# Altium PCB T1_Card.PcbDoc (part 1 of 6) (continued)
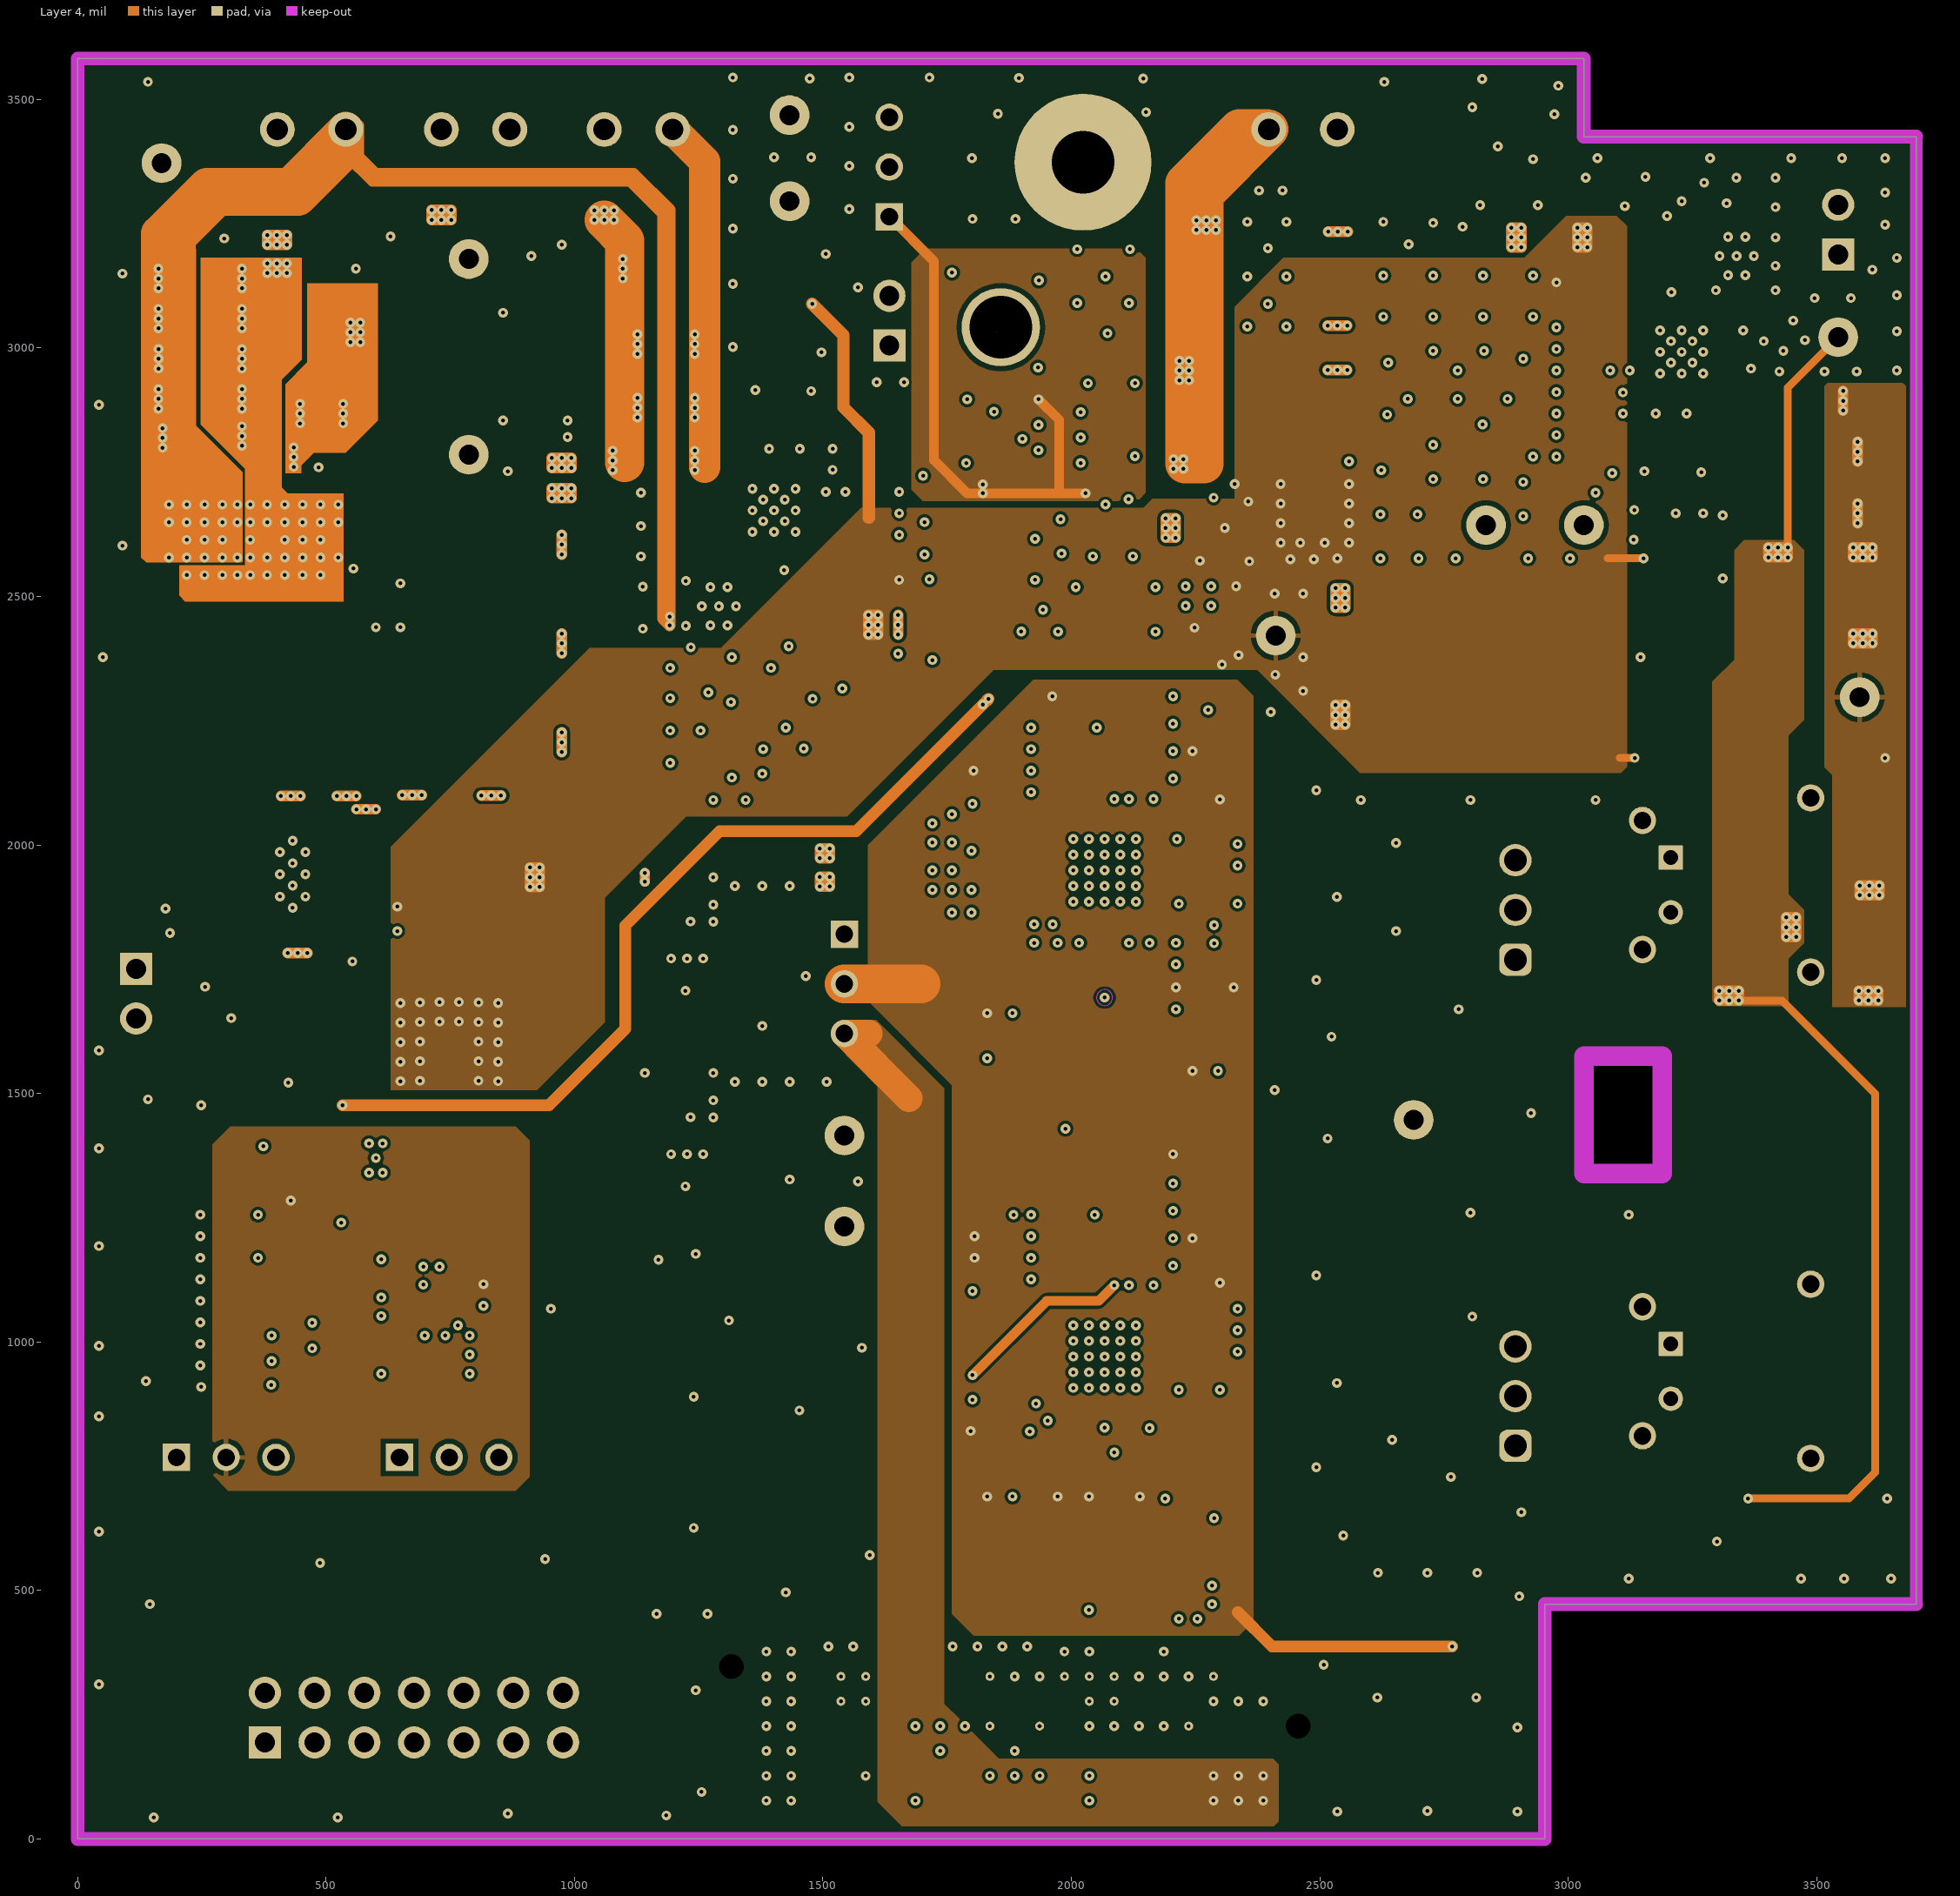
[diagram p4: Layer 4]
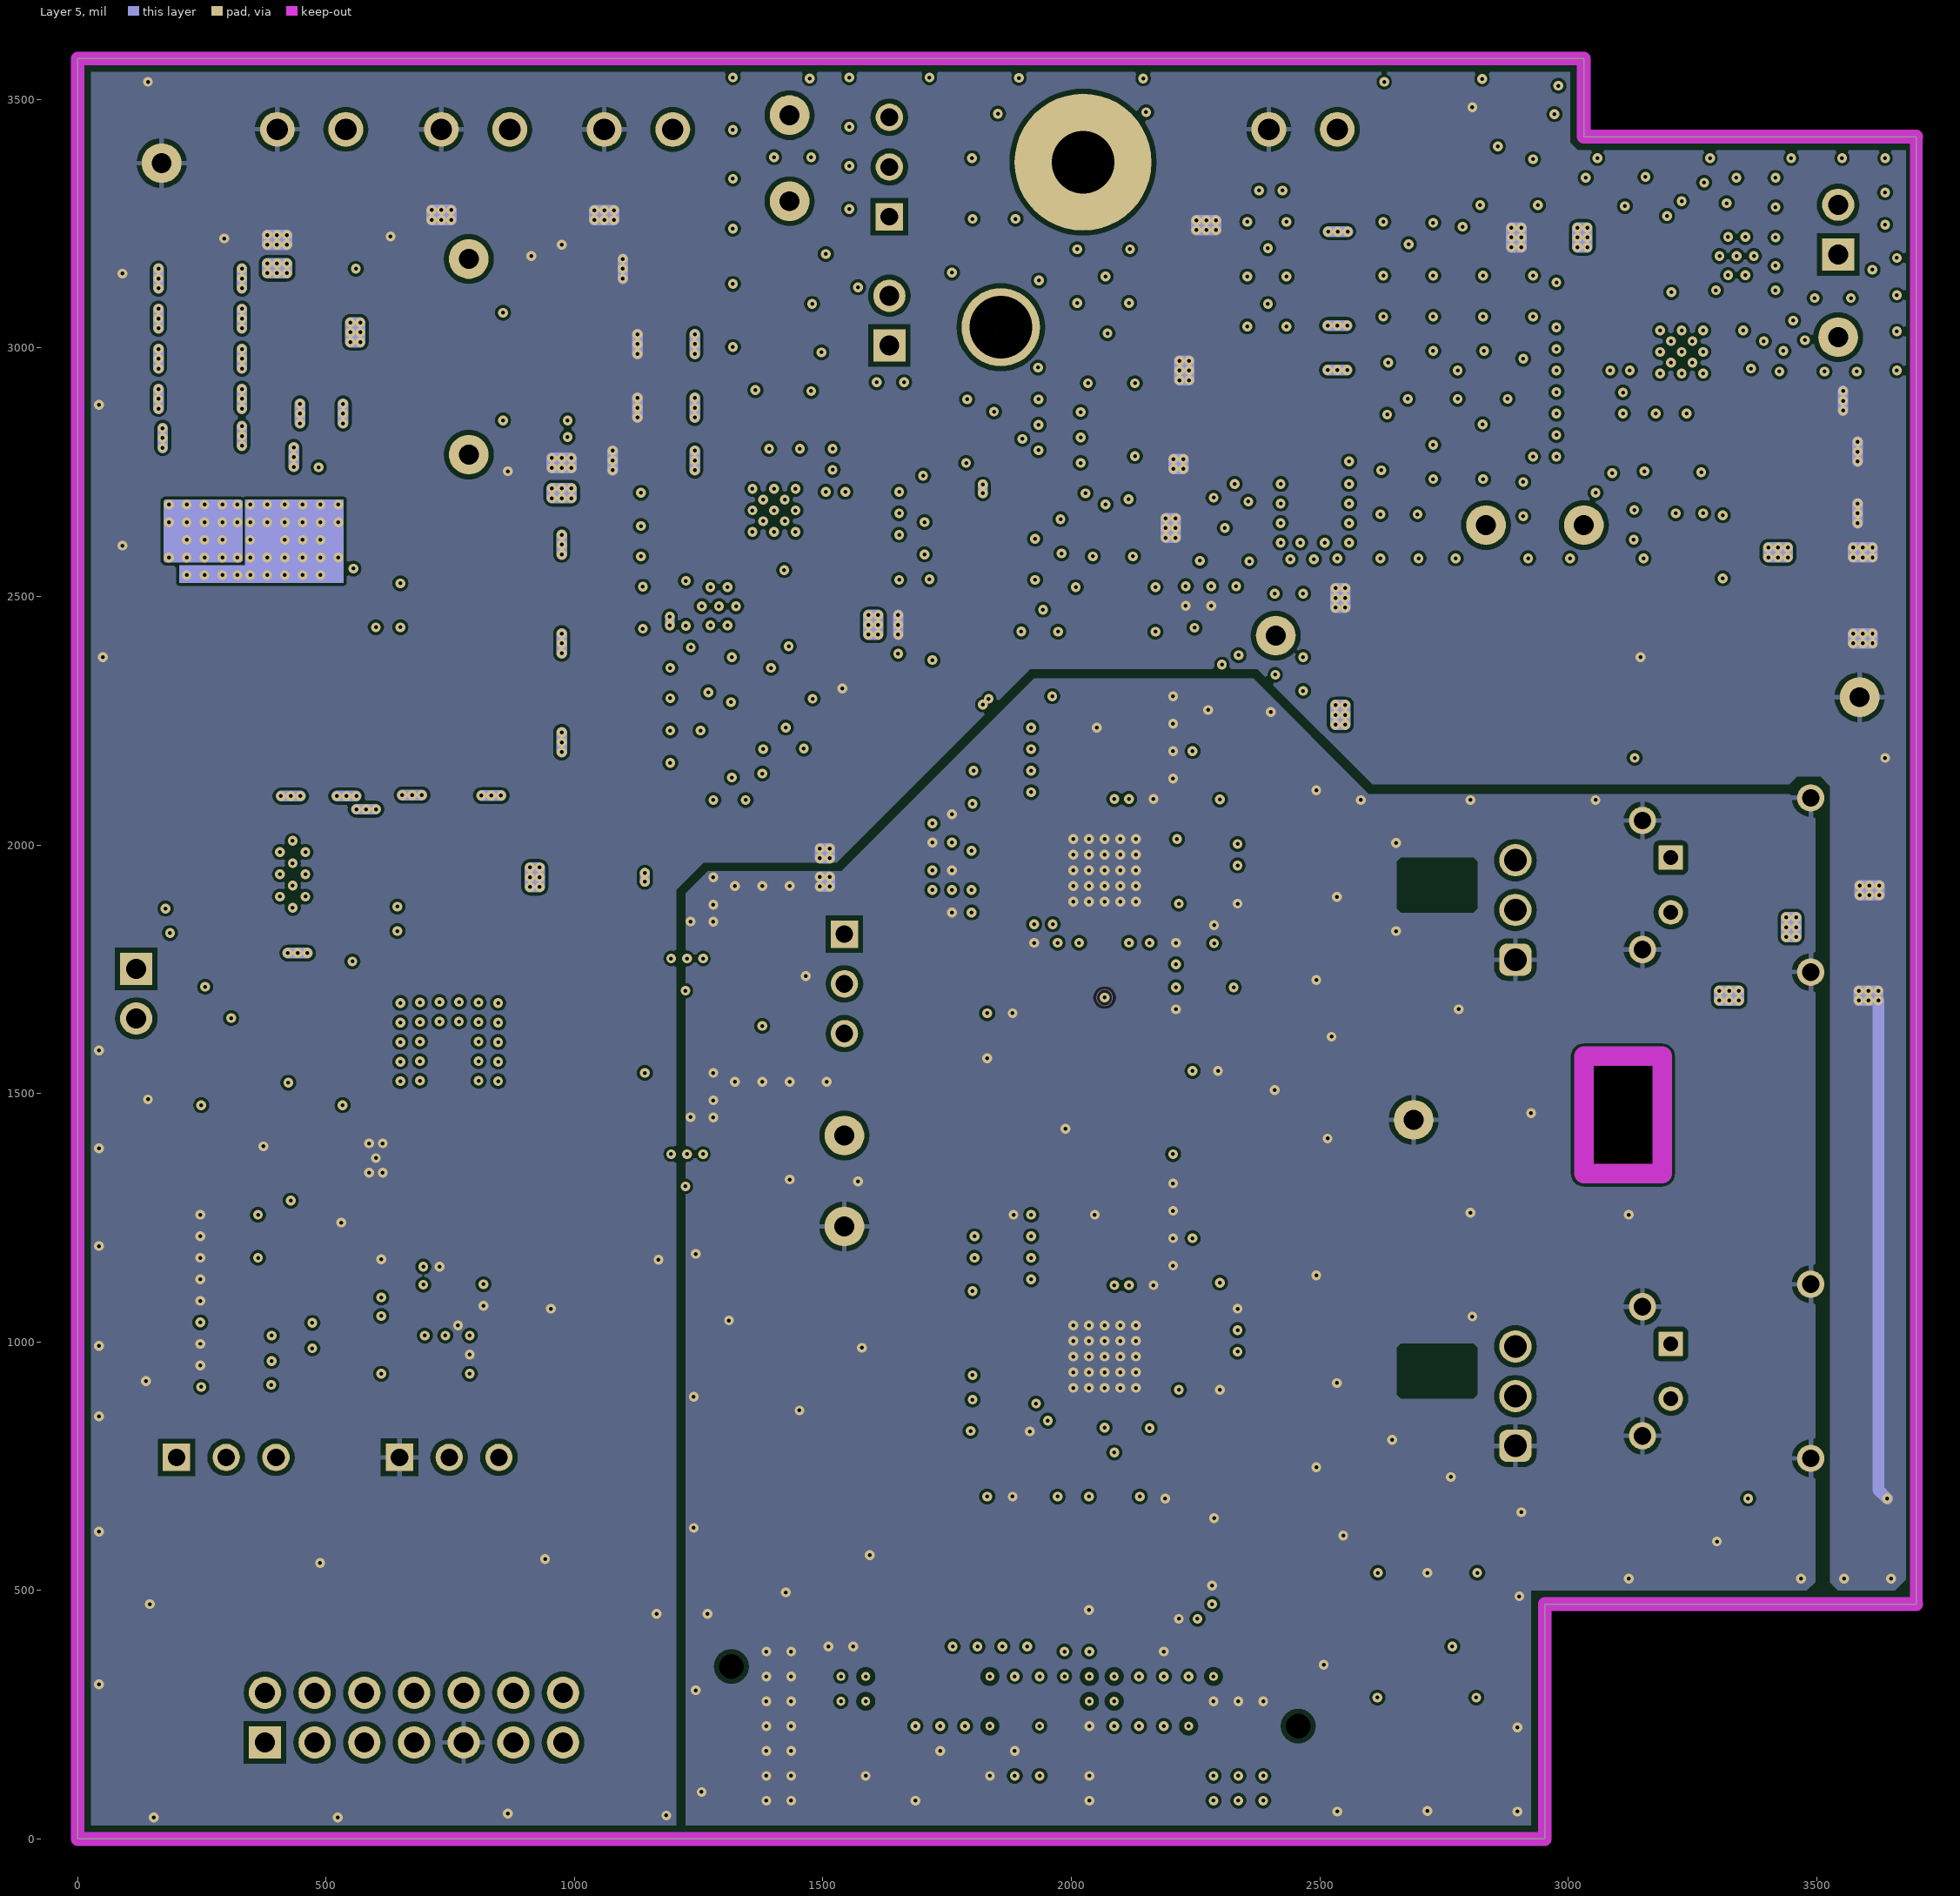
[diagram p5: Layer 5]

## Layer stack, top to bottom
Top Solder: solder mask 0.4, Solder Resist, Dk 3.5
Layer 1: signal copper 1.4
Dielectric 1: prepreg 3.7, FR-4, Dk 4.2
Layer 2: signal copper 1.4
Dielectric 2: core 4, FR-4, Dk 4.2
Layer 3: signal copper 1.4
Dielectric 3: prepreg 42, FR-4, Dk 4.2
Layer 4: signal copper 1.4
Dielectric 4: core 4, FR-4, Dk 4.2
Layer 5: signal copper 1.4
Dielectric 5: prepreg 3.7, FR-4, Dk 4.2
Layer 6: signal copper 1.4
Bottom Solder: solder mask 0.4, Solder Resist, Dk 3.5

## Board outline
0,0 0,3582.68 3031.5,3582.68 3031.5,3425.2 3700.79,3425.2 3700.79,472.44 2952.76,472.44 2952.76,0
cut-out: 1850.39,3110.24
cut-out: 3031.5,1338.58 3031.5,1574.8 3188.98,1574.8 3188.98,1338.58
cut-out: 1850.39,3031.5

## Design rules (kind name [scope] priority, off if disabled: settings)
AcuteAngle [All] p1: minimum=4.50000000000000E+0001 checktracksonly=FALSE
AssemblyTestPointUsage [All] p1: valid=2
BoardOutlineClearance BoardOutlineClearance_MountingHoles [OnCopper and InComponentClass('Mounting Holes')] p1: gap=39.37 ignorepadtopadclearanceinfootprint=FALSE
BoardOutlineClearance [OnCopper and Not InComponentClass('Logo') and not InComponentClass('FiducialMark') and not InRegion(1000,500,4000,800) and not InPoly] p2: gap=75 ignorepadtopadclearanceinfootprint=FALSE except(20.87: Poly-OutlineEdge Region-OutlineEdge; 24: Track-OutlineEdge Track-CutoutEdge SMDPad-OutlineEdge SMDPad-CutoutEdge THPad-OutlineEdge THPad-CutoutEdge Via-OutlineEdge Via-CutoutEdge Fill-OutlineEdge Fill-CutoutEdge Poly-CutoutEdge Text-OutlineEdge Text-CutoutEdge)
BoardOutlineClearance BoardOutlineClearance_Poly [OnCopper and IsPoly] p3: gap=21.65 ignorepadtopadclearanceinfootprint=FALSE except(20.87: Poly-OutlineEdge Region-OutlineEdge)
Clearance Clearance_CLKs-to-others [InNetClass('CLKs')] p1: gap=5.9 ignorepadtopadclearanceinfootprint=TRUE except(6: Arc-THPad Arc-Via Arc-Fill Arc-Poly Arc-Region Track-THPad Track-Via Track-Fill Track-Region SMDPad-Via THPad-Fill THPad-Poly THPad-Region; 8: Arc-SMDPad Track-SMDPad SMDPad-SMDPad; 10: Arc-Hole Track-Hole SMDPad-THPad SMDPad-Hole THPad-THPad THPad-Via Via-Hole Fill-Hole Poly-Hole Region-Hole; 14: Arc-Arc Arc-Track Track-Track; 20: Track-Poly THPad-Hole)
Clearance Clearance_DiffPairs-to-others [InAnyDifferentialPair vs All and not InAnyDifferentialPair] p2: gap=5.9 ignorepadtopadclearanceinfootprint=TRUE except(6: Arc-THPad Arc-Via Arc-Fill Arc-Poly Arc-Region Track-THPad Track-Fill Track-Region SMDPad-Via THPad-Fill THPad-Region; 8: Arc-SMDPad Track-SMDPad SMDPad-SMDPad; 10: Arc-Hole Track-Hole SMDPad-THPad SMDPad-Hole THPad-THPad THPad-Via THPad-Poly Via-Hole Fill-Hole Poly-Hole Region-Hole; 11: Track-Via; 12: Track-Track; 14: Arc-Arc Arc-Track; 20: Track-Poly THPad-Hole)
Clearance Clearance_Keepouts [((IsTrack Or IsArc) And Not InPoly) And IsFree and IsKeepOut vs ((IsTrack Or IsArc) And Not InPoly) And IsFree and IsKeepOut] p3: gap=0 ignorepadtopadclearanceinfootprint=FALSE
Clearance Clearance_Poly_OuterLayers [InPolygon and not OnMid] p4: gap=5.91 ignorepadtopadclearanceinfootprint=TRUE except(9.84: SMDPad-Poly THPad-Poly; 11.81: Poly-Poly)
Clearance Clearance_Poly [InPolygon] p5: gap=5.91 ignorepadtopadclearanceinfootprint=TRUE except(9.84: THPad-Poly; 11.81: Poly-Poly)
Clearance Clearance_FiducialMark [IsKeepOut and InComponentClass('FiducialMark') vs IsPad and InComponentClass('FiducialMark')] p6: gap=0 ignorepadtopadclearanceinfootprint=FALSE
Clearance [All and not (InComponent('U5')  or WithinRoom('Room_U5'))] p7: gap=5.9 ignorepadtopadclearanceinfootprint=TRUE except(6: Arc-Arc Arc-Track Arc-THPad Arc-Via Arc-Fill Arc-Poly Arc-Region Track-Track Track-THPad Track-Via Track-Fill Track-Poly Track-Region SMDPad-Via THPad-Fill THPad-Poly THPad-Region; 8: Arc-SMDPad Track-SMDPad SMDPad-SMDPad; 10: Arc-Hole Track-Hole SMDPad-THPad SMDPad-Hole THPad-THPad THPad-Via Via-Hole Fill-Hole Poly-Hole Region-Hole; 20: THPad-Hole)
ComponentClearance ComponentClearance_MountingHoles_FiducialMarks [InComponentClass('Mounting Holes') vs InComponentClass('FiducialMark')] p1 off: gap=50 collisioncheckmode=3 verticalgap=10 showdistances=FALSE
ComponentClearance ComponentClearance_Shunt [InComponentClass('Header') vs InComponentClass('Shunt')] p2 off: gap=0 collisioncheckmode=3 verticalgap=0 showdistances=FALSE
ComponentClearance ComponentClearance_Logo [InComponentClass('Logo')] p3 off: gap=50 collisioncheckmode=3 verticalgap=10 showdistances=FALSE
ComponentClearance ComponentClearance_ScrewToNut [(HasFootprint('NY PMS 440 0025 PH')) vs (HasFootprint('Keystone_1902C'))] p4 off: gap=5 collisioncheckmode=3 verticalgap=10 showdistances=FALSE
ComponentClearance ComponentClearance_MountingHoles [InComponentClass('Mounting Holes')] p5 off: gap=250 collisioncheckmode=3 verticalgap=100000 showdistances=FALSE
ComponentClearance ComponentClearance_SmallPassives [HasFootprint('0201*') or HasFootprint('0402*') or HasFootprint('0508') or HasFootprint('0603*') or HasFootprint('0612') or HasFootprint('0805*') or HasFootprint('0815*') or HasFootprint('0830*') or HasFootprint('1206*') or HasFootprint('1210*') or HasFootprint('1808*') or HasFootprint('1812*') or HasFootprint('1825*') or HasFootprint('2010*') or HasFootprint('2220*') or HasFootprint('2225*') or HasFootprint('2512*') or HasFootprint('2728*') or HasFootprint('3518*') vs HasFootprint('0201*') or HasFootprint('0402*') or HasFootprint('0508') or HasFootprint('0603*') or HasFootprint('0612') or HasFootprint('0805*') or HasFootprint('0815*') or HasFootprint('0830*') or HasFootprint('1206*') or HasFootprint('1210*') or HasFootprint('1808*') or HasFootprint('1812*') or HasFootprint('1825*') or HasFootprint('2010*') or HasFootprint('2220*') or HasFootprint('2225*') or HasFootprint('2512*') or HasFootprint('2728*') or HasFootprint('3518*')] p6 off: gap=14.96 collisioncheckmode=3 verticalgap=10 showdistances=FALSE
ComponentClearance ComponentClearance_ViaTP-to-ViaTP [HasFootprint('TP_VIA_*') vs HasFootprint('TP_VIA_*')] p7: gap=1 collisioncheckmode=3 verticalgap=10 showdistances=FALSE
ComponentClearance ComponentClearance_THtoSMT [IsThruComponent   and not InComponentClass('Logo') vs IsSMTComponent   and not InComponentClass('Logo')] p8: gap=40 collisioncheckmode=3 verticalgap=30 showdistances=FALSE
ComponentClearance ComponentClearance_THtoTH [IsThruComponent vs IsThruComponent] p9 off: gap=30 collisioncheckmode=3 verticalgap=30 showdistances=FALSE
ComponentClearance [All AND NOT InComponentClass('Logo') vs All AND NOT InComponentClass('Logo')] p10: gap=15 collisioncheckmode=3 verticalgap=10 showdistances=FALSE
DiffPairsRouting [InDifferentialPairClass('Zdiff_100R')] p1: maxlimit=10 minlimit=6.5 mostfreqgap=10 toplayer_maxgap=8 toplayer_prefgap=6.5 toplayer_minwidth=4.5 toplayer_maxwidth=6 toplayer_prefwidth=4.5 midlayer1_minwidth=15 midlayer1_maxwidth=15 midlayer1_prefwidth=15 midlayer2_minwidth=15 midlayer2_maxwidth=15 midlayer2_prefwidth=15 midlayer3_minwidth=15 midlayer3_maxwidth=15 midlayer3_prefwidth=15 midlayer4_minwidth=15 midlayer4_maxwidth=15 midlayer4_prefwidth=15 bottomlayer_maxgap=8 bottomlayer_prefgap=6.5 bottomlayer_minwidth=4.5 bottomlayer_maxwidth=6 bottomlayer_prefwidth=4.5 maxuncoupledlength=1000
FabricationTestPointUsage TestPointUsage [All] p1: valid=2 allowmultiple=FALSE
FabricationTestpoint Testpoint [All] p1: side=3 testpointundercomponent=TRUE minsize=40 maxsize=100 preferedsize=60 minholesize=0 maxholesize=40 preferedholesize=32 testpointgrid=1 allowsidetop=TRUE allowsidebottom=TRUE usegrid=TRUE gridtolerance=0.01
FanoutControl Fanout_LCC [IsLCC] p1: bgadir=Out bgaviamode=Centered fanoutstyle=Auto fanoutdirection=Alternating viagrid=1 // Fanout_LCC (Default Rule)
FanoutControl Fanout_BGA [IsBGA] p2: bgadir=Out bgaviamode=Centered fanoutstyle=Auto fanoutdirection=Alternating viagrid=1 // Fanout_BGA (Default Rule)
FanoutControl Fanout_Default [All] p4: bgadir=Out bgaviamode=Centered fanoutstyle=Auto fanoutdirection=Alternating viagrid=1 // Fanout_Default (Default Rule)
FanoutControl Fanout_Small [(CompPinCount < 5)] p5: bgadir=Out bgaviamode=Centered fanoutstyle=Auto fanoutdirection=OutThenIn viagrid=1 // Fanout_Small (Default Rule)
HoleSize [All] p1: absolutevalues=TRUE maxlimit=251 minlimit=7.87 maxpercent=80.000 minpercent=20.000
HoleToHoleClearance [All] p1: gap=7.87 allowstackedmicrovias=FALSE
MatchedLengths MatchLengths_xSignals_MII_P1_RX [InxSignalClass('xSignals_MII_P1_RX')] p1: tolerance=3.94 checknetsindiffpair=FALSE checkdiffpairvsdiffpair=TRUE checkxsignals=TRUE checkothers=TRUE
MatchedLengths MatchLengths_xSignals_MII_P1_TX [InxSignalClass('xSignals_MII_P1_TX')] p2: tolerance=3.94 checknetsindiffpair=FALSE checkdiffpairvsdiffpair=TRUE checkxsignals=TRUE checkothers=TRUE
MatchedLengths MatchLengths_xSignals_MII_P2_RX [InxSignalClass('xSignals_MII_P2_RX')] p3: tolerance=3.94 checknetsindiffpair=FALSE checkdiffpairvsdiffpair=TRUE checkxsignals=TRUE checkothers=TRUE
MatchedLengths MatchLengths_xSignals_MII_P2_TX [InxSignalClass('xSignals_MII_P2_TX')] p4: tolerance=3.94 checknetsindiffpair=FALSE checkdiffpairvsdiffpair=TRUE checkxsignals=TRUE checkothers=TRUE
MatchedLengths TX_MII [InNetClass('TX_MII')] p5 off: tolerance=200 checknetsindiffpair=FALSE checkdiffpairvsdiffpair=TRUE checkxsignals=TRUE checkothers=TRUE
MatchedLengths RX_MII [InNetClass('RX_MII')] p6 off: tolerance=200 checknetsindiffpair=FALSE checkdiffpairvsdiffpair=TRUE checkxsignals=TRUE checkothers=TRUE
MinimumAnnularRing MinimumAnnularRing_ThermalPadVias [IsVia and InAnyComponent] p1: minimumring=5.91
MinimumAnnularRing [All] p2: minimumring=5.91
MinimumSolderMaskSliver MinimumSolderMaskSliver_Logo [InComponentClass('Logo') vs InComponentClass('Logo')] p1: minsoldermaskwidth=0.7
MinimumSolderMaskSliver [All] p2: minsoldermaskwidth=2.72
PlaneConnect [All] p1: planeconnectstyle=Relief reliefexpansion=10 reliefentries=4 reliefconductorwidth=10 reliefairgap=10
PolygonConnect PolygonConnect_HeatSinkArea [(ObjectKind = 'Poly') And (Name = 'HeatSinkArea')] p1: connectstyle=Direct reliefconductorwidth=10 reliefentries=4 polygonreliefangle="90 Angle" airgapwidth=10
PolygonConnect [All] p2: thpad.connectstyle=Relief thpad.reliefconductorwidth=10 thpad.reliefentries=4 thpad.polygonreliefangle="90 Angle" thpad.airgapwidth=10 smdpad.connectstyle=Relief smdpad.reliefconductorwidth=10 smdpad.reliefentries=4 smdpad.polygonreliefangle="90 Angle" smdpad.airgapwidth=10 via.connectstyle=Direct via.reliefconductorwidth=10 via.reliefentries=4 via.polygonreliefangle="90 Angle" via.airgapwidth=10
RoomDefinition Room_U5 [False] p1: confinementstyle=ConfineIn formatcopy=TRUE lockcomponents=FALSE outline 157.48,2755.91 551.18,2755.91 551.18,2440.94 157.48,2440.94
RoomDefinition Room2_NoCMPs_onBOT [IsComponent and OnBottom] p2: confinementstyle=ConfineOut formatcopy=TRUE lockcomponents=FALSE outline 3486.26,1744.68 cw(c3421.26,1744.68) 3421.26,1679.68 cw(c3421.26,1744.68) 3356.26,1744.68 cw(c3421.26,1744.68) 3421.26,1809.68 cw(c3421.26,1744.68)
RoomDefinition Room1_NoCMPs_onBOT [IsComponent and OnBottom] p3: confinementstyle=ConfineOut formatcopy=TRUE lockcomponents=FALSE outline 2754.31,1257.2 cw(c2689.31,1257.2) 2689.31,1192.2 cw(c2689.31,1257.2) 2624.31,1257.2 cw(c2689.31,1257.2) 2689.31,1322.2 cw(c2689.31,1257.2)
RoomDefinition P2 [InComponentClass('P2')] p4 off: confinementstyle=ConfineIn formatcopy=TRUE lockcomponents=FALSE outline 1788,561.02 3648,561.02 3648,1383.86 1788,1383.86
RoomDefinition P1 [InComponentClass('P1')] p5 off: confinementstyle=ConfineIn formatcopy=TRUE lockcomponents=FALSE outline 1690.94,1504.92 3648,1504.92 3648,2325.79 1690.94,2325.79
RoomDefinition Fuse2 [InComponentClass('Fuse2')] p6 off: confinementstyle=ConfineIn formatcopy=TRUE lockcomponents=FALSE outline 1964.32,2086.39 1964.32,3276.39 924.32,3276.39 924.32,2086.39
RoomDefinition Fuse1 [InComponentClass('Fuse1')] p7 off: confinementstyle=ConfineIn formatcopy=TRUE lockcomponents=FALSE outline 2668.08,3382.87 2668.08,2394.68 3647.64,2394.68 3647.64,3382.87
RoutingVias ThermalPadVias [IsVia and InAnyComponent] p1: holewidth=7.87 width=19.68 viastyle="Through Hole" minholewidth=7.87 minwidth=19.68 maxholewidth=12.99 maxwidth=23.62
RoutingVias [All] p2: holewidth=7.87 width=19.68 viastyle="Through Hole" minholewidth=7.87 minwidth=26 maxholewidth=40 maxwidth=65 useviatemplates=TRUE viatemplateguid#1={252DF22B-E663-47D5-B111-F661002CB47A} viatemplatename#1=v50h20(1)
SilkToBoardRegionClearance [Not ((IsComment or IsDesignator) And (Hide <> 'False')) and not InRegion(1000,500,4000,800)] p1:
SilkToSilkClearance SilkToSilkClearance_Pb-FreeLogo [(HasFootprint('Pb-Free_Overlay_Medium') OR HasFootprint('Pb-Free_Overlay_Small')) vs (HasFootprint('Pb-Free_Overlay_Medium') OR HasFootprint('Pb-Free_Overlay_Small'))] p1: silktosilkclearance=0
SilkToSilkClearance [All] p2: silktosilkclearance=4.33
SilkToSolderMaskClearance SilkToComponentPadClearance [((IsPad or IsFill or IsRegion) and InAnycomponent)  and not isvia vs All       and not IsVia] p1: minsilkscreentomaskgap=3 clearancetoexposedcopper=FALSE
SilkToSolderMaskClearance "Silk to Solder Mask Opening" [All  and not IsVia vs All  and not IsVia] p2 off: minsilkscreentomaskgap=4.92 clearancetoexposedcopper=TRUE
SolderMaskExpansion [All   and not isvia] p1: expansion=1.97
SolderMaskExpansion SolderMaskExpansion_Vias [IsVia] p2: expansion=0.98 soldermaskfromhole=TRUE
UnRoutedNet [All] p1: checkbadconnections=TRUE
Width Width_S50 [InNetClass('Z0_50R')] p1: maxlimit=10 minlimit=4.5 preferedwidth=10 toplayer_prefwidth=6 midlayer2_minwidth=4.55 midlayer2_prefwidth=4.55 midlayer3_minwidth=4.55 midlayer3_prefwidth=4.55 bottomlayer_prefwidth=6 minimp=50.000000 maximp=50.000000 favimp=50.000000
Width [All] p2: maxlimit=118.11 minlimit=4.5 preferedwidth=6 checkconnectedcopper=TRUE
13 further rules are at their usual default settings.
